# Allegro board WCS038B(3.5 - 1).brd
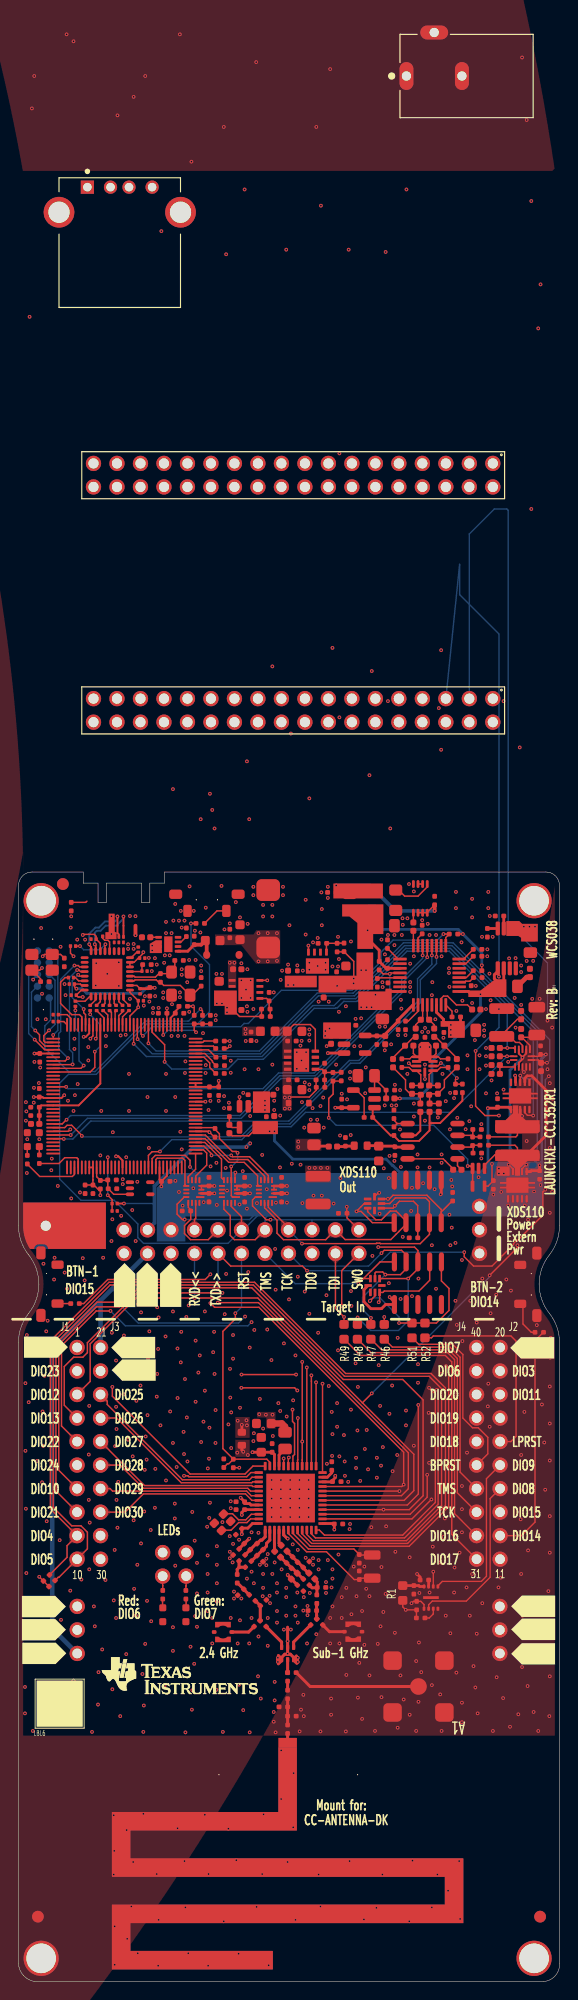
[diagram p0: board, top side]
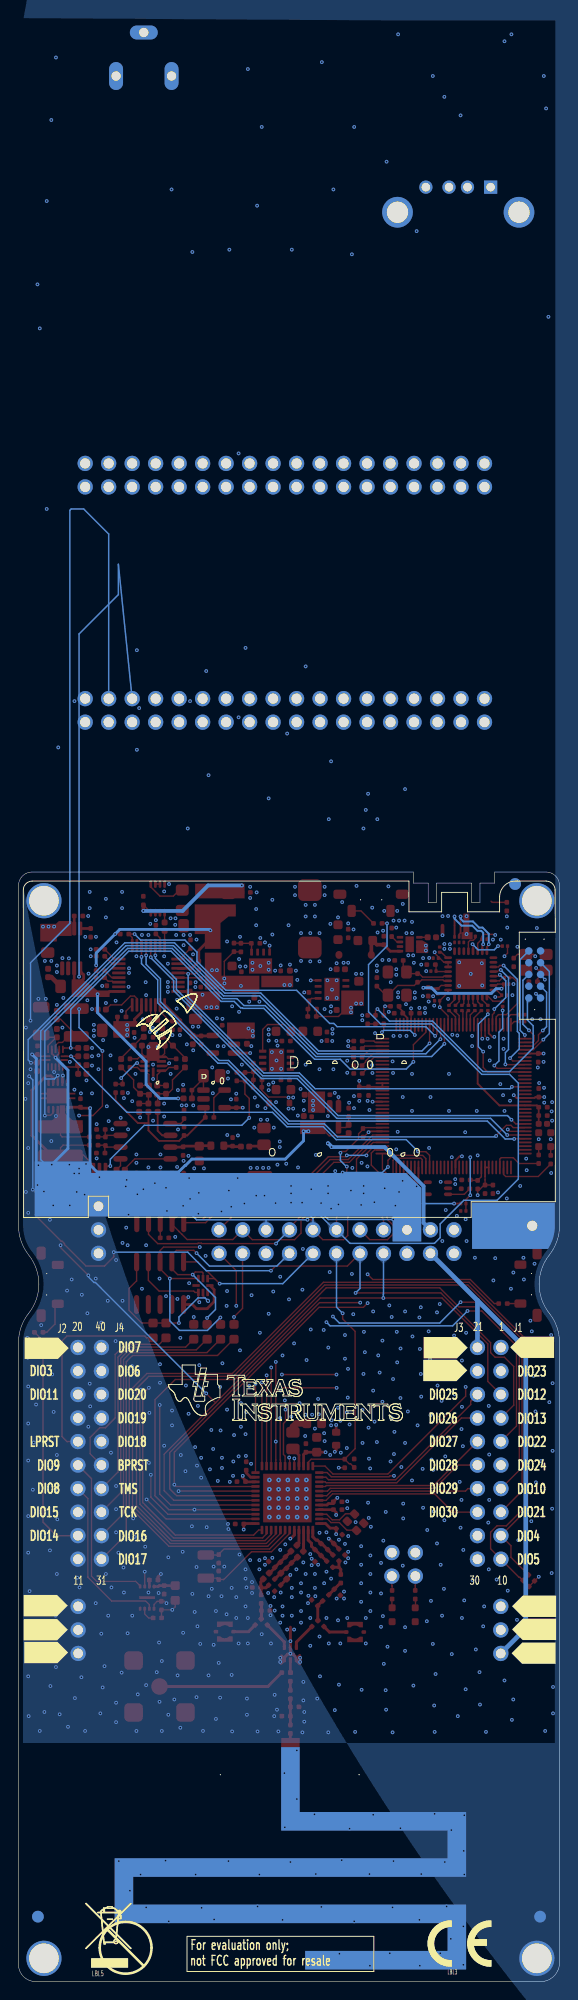
[diagram p1: board, bottom side, seen from below]

Outline 58.5 x 119.8 mm; copper layers: TOP, L2, L3, BOTTOM. Coordinates in mm from the lower left corner of the outline.
Outline path: 0,118.34 0,81.6 arc(0.28,79.93) 1.1,78.45 arc(1.92,76.97) 2.2,75.3 arc(1.92,73.63) 1.1,72.15 arc(0.28,70.67) 0,69 0,1.95 arc(0.51,0.67) 1.72,0 56.8,0 arc(58.05,0.63) 58.5,1.95 58.5,69 arc(58.22,70.67) 57.4,72.15 arc(56.58,73.63) 56.3,75.3 arc(56.58,76.97) 57.4,78.45 arc(58.22,79.93) 58.5,81.6 58.5,118.34 arc(58.07,119.37) 57.04,119.8 15.8,119.8 15.8,118.6 14.2,118.6 14.2,116.5 13.3,116.5 13.3,118.6 9.5,118.6 9.5,116.5 8.6,116.5 8.6,118.6 7,118.6 7,119.8 1.46,119.8 arc(0.43,119.37) 0,118.34

## Design rules (mm)
constraint set DEFAULT: min track width 0.15
net group RF: nets N2078767
nets with their own width: min track width 0.15; nets GND VDDR VDDS WMCU_VDD

## Placement (name value [footprint] x y rotation side)
A1  868MHz/2440MHz  [ANTENNA_DN024N]  29.1 25.8 180 top
C1  12pF  [CAPC1005X60B2N]  2.39 107.96 0 top
C2  10nF  [CAPC1005X60B2N]  15.45 86.4 0 top
C3  10nF  [CAPC1005X60B2N]  2.3 100.2 270 top
C4  10nF  [CAPC1005X60B2N]  2.25 95.5 90 top
C6  100nF  [CAPC0603X35B2N]  12.95 105.9 0 top
C7  10nF  [CAPC1005X60B2N]  7.2 86 270 top
C8  0.1uF  [CAPC1005X60B2N]  9.65 86.55 0 top
C9  12pF  [CAPC1005X60B2N]  4.95 110.5 270 top
C11  12pF  [CAPC1005X60B2N]  23.86 46.7 225 top
C12  1.1pF  [CAPC1005X60B2N]  24.5 46.06 225 top
C13  1pF  [CAPC1005X60B2N]  24.36 42.36 225 top
C14  1pF  [CAPC1005X60B2N]  26.15 40.55 45 top
C15  12pF  [CAPC1005X60B2N]  26.12 38.98 315 top
C21  1.1pF  [CAPC1005X60B2N]  25.78 45.99 315 top
C24  12pF  [CAPC1005X60B2N]  26.13 38.98 225 top
C30  0.1uF  [CAPC1005X60B2N]  42.75 42.75 270 top
C31  1.2pF  [CAPC1005X60B2N]  29.64 45.84 225 top
C32  100pF  [CAPC1005X60B2N]  30.15 42.8 315 top
C33  3pF  [CAPC1005X60B2N]  30.8 43.45 315 top
C34  2.7pF  [CAPC1005X60B2N]  32.3 42.55 0 top
C35  3.6pF  [CAPC1005X60B2N]  31.31 40.05 0 top
C36  100pF  [CAPC1005X60B2N]  32.25 39.15 225 top
C37  100pF  [CAPC1005X60B2N]  32.9 38.5 135 top
C38  0.1uF  [CAPC1005X60B2N]  20.65 96.6 270 top
C39  0.1uF  [CAPC1005X60B2N]  16.05 104.55 180 top
C40  1uF  [CAPC1005X60B2N]  21.65 96.6 270 top
C41  3pF  [CAPC1005X60B2N]  31.45 45.35 225 top
C42  1uF  [CAPC1005X60B2N]  8.05 86 270 top
C43  0.1uF  [CAPC1005X60B2N]  2.25 94.4 180 top
C44  1uF  [CAPC1005X60B2N]  2.25 93.5 180 top
C45  2.2uF  [CAPC1005X60A2N]  2.25 92.6 180 top
C46  0.1uF  [CAPC1005X60B2N]  16.95 104.55 0 top
C47  15pF  [CAPC1005X60B2N]  26.3 104.2 0 top
C48  2.2uF  [CAPC1005X60A2N]  23.2 109.3 0 top
C49  2.2uF  [CAPC1005X60A2N]  23.2 104.9 0 top
C50  10nF  [CAPC1005X60B2N]  9.7 85.6 0 top
C70  0.1uF  [CAPC1005X60B2N]  20.6 85.1 270 top
C71  0.1uF  [CAPC1005X60B2N]  20.6 85.9 90 top
C72  0.1uF  [CAPC1005X60B2N]  28.45 85.1 270 top
C73  0.1uF  [CAPC1005X60B2N]  28.45 85.9 90 top
C74  0.1uF  [CAPC1005X60B2N]  24.45 85.1 270 top
C75  0.1uF  [CAPC1005X60B2N]  24.45 85.9 90 top
C78  100nF  [CAPC0603X35B2N]  13.1 110.5 0 top
C79  100nF  [CAPC0603X35B2N]  6.25 106.5 180 top
C80  100nF  [CAPC0603X35B2N]  8.4 112.55 180 top
C81  12pF  [CAPC1005X60B2N]  36.85 43.4 90 top
C83  100nF  [CAPC0603X35B2N]  6.05 107.7 180 top
C84  100nF  [CAPC0603X35B2N]  13.15 107.2 270 top
C85  4.7uF  [CAPC1005X60B2N]  14.2 106.4 90 top
C86  4.7uF  [CAPC1005X60B2N]  14.35 109.8 180 top
C87  100nF  [CAPC0603X35B2N]  13.35 109.1 0 top
C88  12pF  [CAPC1005X60B2N]  19.75 108.4 270 top
C89  12pF  [CAPC1005X60B2N]  16.9 110.25 0 top
C91  12pF  [CAPC1005X60B2N]  36.85 46.1 270 top
C108  33nF  [CAPC1005X60A2N]  14.25 112.75 180 top
C109  10nF  [CAPC1005X60B2N]  19 111.95 90 top
C110  0.1uF  [CAPC1005X60B2N]  22.85 112.7 90 top
C111  3.3uF  [CAPC1608X90A2N]  23.95 114.1 270 top
C112  220uF  [CAPMP7343X200N]  27 111.65 90 top
C113  22uF  [CAPC1608X100A2N]  21.7 106.4 90 top
C114  0.1uF  [CAPC1005X60B2N]  56.35 87.55 270 top
C115  0.1uF  [CAPC1005X60B2N]  34.35 117.6 180 top
C116  0.1uF  [CAPC1005X60B2N]  39.9 109.4 90 top
C117  10uF  [CAPC2012X150A2N]  38.85 114 0 top
C118  0.1uF  [CAPC1005X60B2N]  45 116.25 90 top
C119  0.1uF  [CAPC1005X60B2N]  46 103.4 270 top
C120  0.1uF  [CAPC1005X60B2N]  39.95 106.9 90 top
C121  10uF  [CAPC2012X150A2N]  39.35 105.73 270 top
C122  10uF  [CAPC2012X150A2N]  47.65 102.7 0 top
C123  270pF  [CAPC1005X60B2N]  41.45 98.7 90 top
C124  0.1uF  [CAPC1005X60B2N]  50.05 92 180 top
C125  0.1uF  [CAPC1005X60B2N]  40.7 89.2 90 top
C126  0.1uF  [CAPC1005X60B2N]  43.95 101.95 270 top
C127  0.1uF  [CAPC1005X60B2N]  48.95 106.6 90 top
C128  1uF  [CAPC1005X60B2N]  41.05 103.7 270 top
C129  470pF  [CAPC1005X60A2N]  43.5 95.75 0 top
C130  1nF  [CAPC1005X60A2N]  43.5 96.75 0 top
C131  22nF  [CAPC1005X60A2N]  43.5 103.85 0 top
C132  0.1uF  [CAPC1005X60B2N]  49.1 91.19 270 top
C133  1uF  [CAPC1005X60B2N]  47.25 96.9 270 top
C134  0.1uF  [CAPC1005X60B2N]  49.15 89.45 0 top
C135  270pF  [CAPC1005X60B2N]  46.45 98.7 90 top
C136  1uF  [CAPC1005X60B2N]  41.85 103.7 270 top
C137  1uF  [CAPC1005X60B2N]  49.2 108.4 0 top
C138  1uF  [CAPC1005X60B2N]  39.9 111.55 90 top
C139  0.1uF  [CAPC1005X60B2N]  51.8 94.4 90 top
C140  0.1uF  [CAPC1005X60B2N]  56.45 100.1 90 top
C141  0.1uF  [CAPC1005X60B2N]  34.95 94.35 90 top
C142  10uF  [CAPC2012X150A2N]  55.35 112.9 270 top
C143  2.2uF  [CAPC1005X60A2N]  54.35 101.95 90 top
C144  2.2uF  [CAPC1005X60A2N]  54.35 103.9 90 top
C145  1uF  [CAPC1005X60B2N]  50.7 113.7 270 top
C146  47uF  [CAPC2012X150A2N]  52.15 107.45 0 top
C147  10uF  [CAPC2012X150A2N]  38.5 97.8 180 top
C149  2.2uF  [CAPC1005X60A2N]  52.05 98.95 180 top
C151  2.2uF  [CAPC1005X60A2N]  29.15 108.25 90 top
C152  0.1uF  [CAPC1005X60B2N]  30.15 108.2 90 top
C153  15pF  [CAPC1005X60B2N]  35.2 111.2 90 top
C154  0.1uF  [CAPC1005X60B2N]  34.4 108.1 90 top
C155  2.2uF  [CAPC1005X60A2N]  33 107.15 270 top
C156  22uF  [CAPC1608X100A2N]  35.4 108.05 90 top
C157  2.2uF  [CAPC1005X60A2N]  33.8 102.15 270 top
C158  0.1uF  [CAPC1005X60B2N]  38.75 102.1 270 top
C159  2.2uF  [CAPC1005X60A2N]  39.65 102.1 270 top
C160  2.2uF  [CAPC1005X60A2N]  26.65 95.75 0 top
C161  0.1uF  [CAPC1005X60B2N]  25.75 95.75 180 top
C162  0.1uF  [CAPC1005X60B2N]  26.8 92.45 90 top
C163  2.2uF  [CAPC1005X60A2N]  27.65 92.55 90 top
C164  0.1uF  [CAPC1005X60B2N]  35.55 103.25 0 top
C165  22uF  [CAPC1608X100A2N]  38.95 90.2 270 top
C166  10nF  [CAPC1005X60B2N]  35.35 90.2 90 top
C168  10uF  [CAPC2012X150A2N]  31.95 90.35 90 top
C169  15pF  [CAPC1005X60B2N]  34 98.15 270 top
C170  0.1uF  [CAPC1005X60B2N]  51.35 85.55 90 top
C171  22uF  [CAPC1608X100A2N]  29.05 102.6 0 top
C172  15pF  [CAPC1005X60B2N]  32.2 96.55 0 top
C174  22uF  [CAPC1608X100A2N]  29.05 96.3 0 top
C175  0.1uF  [CAPC1005X60B2N]  29.1 101.55 0 top
C220  0.1uF  [CAPC1005X60B2N]  34.14 49.4 0 top
C221  0.1uF  [CAPC1005X60B2N]  33.95 53.97 0 top
C231  1uF  [CAPC1005X60B2N]  33.88 55.2 90 top
C331  22uF  [CAPC1608X100A2N]  27.32 60.25 180 top
C341  22uF  [CAPC1608X100A2N]  26.25 57.15 90 top
C342  0.1uF  [CAPC1005X60B2N]  27.42 57.15 90 top
C351  0.1uF  [CAPC1005X60B2N]  22.2 55.5 90 top
C441  0.1uF  [CAPC1005X60B2N]  24.45 51.8 180 top
C451  0.1uF  [CAPC1005X60B2N]  24.45 50.95 180 top
C481  0.1uF  [CAPC1005X60B2N]  24.15 48.9 225 top
C482  100pF  [CAPC1005X60B2N]  29.1 33.35 270 top
C483  100pF  [CAPC1005X60B2N]  29.1 33.35 0 top
C484  10nF  [CAPC1005X60B2N]  25.15 102.52 270 top
C485  0.1uF  [CAPC1005X60B2N]  29.2 97.35 0 top
C486  220uF  [CAPC3225X280A2N]  32.4 86.95 270 top
CR1  LPL296-J2L2-25  [LEDC1707X65L]  18.1 38.85 90 top
CR2  LS L296-P2Q2-1  [LEDC1708X67L]  15.6 38.85 90 top
CR4  LS L296-P2Q2-1  [LEDC1708X67N]  0.95 91.65 270 top
CR5  LPL296-J2L2-25  [LEDC1707X65N]  2.25 91.65 270 top
CR6  TPD4E004DRY  [SON50P100X145X60-6N]  10.35 112.2 0 top
CR7  TPD6E004RSER  [QFN50P150X150X60-8N]  37.75 84.5 270 top
CR8  TPD6E004RSER  [QFN50P150X150X60-8N]  38.05 74.4 0 top
CR14  3.9V  [DIO_BZX84JN]  29.2 94.85 0 top
CR15  MBR130T1  [SOD3716X135N]  20.35 110.85 0 top
FIDU1  FIDU_1.27mm  [FID127X142]  4.8 118.5 0 top
FIDU2  FIDU_1.27mm  [FID127X142]  2.1 7 0 top
FIDU3  FIDU_1.27mm  [FID127X142]  56.4 7 0 top
FIDU4  FIDU_1.27mm  [FID127X142]  4.8 118.5 180 bottom
FIDU5  FIDU_1.27mm  [FID127X142]  2.1 7 180 bottom
FIDU6  FIDU_1.27mm  [FID127X142]  56.4 7 180 bottom
FL1  BLM18HE152SN1  [FIL_BLM18HE152SN1DL]  24.15 57.9 90 top
FL2  BLM18HE152SN1  [FIL_BLM18HE152SN1DN]  21.8 112.4 180 top
FL3  LFD21829MDKED859  [FIL_LFD21829MDKED859_A2N]  28.45 34.75 0 top
FL4  BLM18HE152SN1  [FIL_BLM18HE152SN1DN#2]  37.7 90.25 180 top
FL5  BLM18HE152SN1  [FIL_BLM18HE152SN1DN]  27.75 102.6 180 top
J1  SSQ-110-23-L-D  [SAMTEC_SSQ11023LD_A2B]  6.33 68.46 0 bottom
J2  SSQ-110-23-L-D  [SAMTEC_SSQ11023LD_A2B]  49.53 68.46 0 bottom
J7  SMA-10V21-TGG  [HUSTSAN_SMA10V21TGGAN]  43.25 31.85 0 top
J8  3PIN_POWER_JACK  [CUI_PJ-102A]  48.45 205.75 0 top
J9  1818  [61303621121]  29.7 162.65 180 top
J10  1818  [61303621121]  29.7 137.25 180 top
J11  292303-1  [TE_292303-1]  7.45 193.75 0 top
L11  15nH  [INDC1005X60D2N]  25.79 47.28 315 top
L12  2.4nH  [INDC1005X60D2N]  25.06 46.63 135 top
L13  2nH  [INDC1005X60D2N]  23.65 43.95 270 top
L14  2nH  [INDC1005X60D2N]  24.95 41.75 315 top
L21  2.4nH  [INDC1005X60D2N]  25.17 45.38 225 top
L31  3.9nH  [INDC1005X60C2N]  27.7 46.45 315 top
L32  22nH  [INDC1005X60D2N]  29.52 44.62 45 top
L33  10nH  [INDC1005X60C2N]  29.5 43.45 45 top
L34  9.1nH  [INDC1005X60D2N]  32.26 41.75 270 top
L41  3.9nH  [INDC1005X60C2N]  28.4 47.1 315 top
L42  10nH  [INDC1005X60C2N]  31.4 44.1 315 top
L331  6.8uH  [INDC2012X150A2N]  28.82 57.5 90 top
L332  BLM21PG221SN1  [FILC2012X110A2N]  35.8 115.65 90 top
L333  BLM21PG221SN1  [FILC2012X110A2N]  37.5 110.45 90 top
L334  BLM21PG221SN1  [FILC2012X110A2N]  37.5 106.15 90 top
LBL2  TI_LOGO  [TI_LOGO_1]  10 35.03 0 top
LBL3  CE_label  [CE_MARKING]  11.65 1.6 180 bottom
LBL4  -  [LABEL_FOR_EVALUATION_ONLY]  40.12 1.22 180 bottom
LBL5  TRASH_7mm  [TRASH_7MM]  50.65 1.5 180 bottom
LBL6  ESD_LABEL_5x5mm  [ESD_LABEL_5X5]  1.95 27.5 0 top
M1  SNT-100-BK-G  [SAMTEC_SNT100BKG]  16.88 42.5 90 top
M2  SNT-100-BK-G  [SAMTEC_SNT100BKG]  19.38 42.5 90 top
M3  SNT-100-BK-G  [SAMTEC_SNT100BKG]  12.65 77.3 90 top
M4  SNT-100-BK-G  [SAMTEC_SNT100BKG]  15.25 77.3 90 top
M5  SNT-100-BK-G  [SAMTEC_SNT100BKG]  17.75 77.3 90 top
M6  SNT-100-BK-G  [SAMTEC_SNT100BKG]  20.25 77.3 90 top
M7  SNT-100-BK-G  [SAMTEC_SNT100BKG]  22.85 77.3 90 top
M8  SNT-100-BK-G  [SAMTEC_SNT100BKG]  25.35 77.3 90 top
M9  SNT-100-BK-G  [SAMTEC_SNT100BKG]  27.95 77.3 90 top
M10  SNT-100-BK-G  [SAMTEC_SNT100BKG]  30.45 77.3 90 top
M11  SNT-100-BK-G  [SAMTEC_SNT100BKG]  33.05 77.3 90 top
M12  SNT-100-BK-G  [SAMTEC_SNT100BKG]  35.55 77.3 90 top
M13  SNT-100-BK-G  [SAMTEC_SNT100BKG]  38.15 77.3 90 top
M14  SNT-100-BK-G  [SAMTEC_SNT100BKG]  51.15 79.9 90 top
M15  DCB-10  [MECH_DCB10_A2B]  2.45 116.7 180 bottom
M16  DCB-10  [MECH_DCB10_A2B]  55.75 116.7 180 bottom
M17  DCB-10  [MECH_DCB10_A2B]  2.45 2.5 180 bottom
M18  DCB-10  [MECH_DCB10_A2B]  55.75 2.5 180 bottom
MH1  HOLE_3.2mm_PTH  [MTG320_380]  2.45 2.5 0 top
MH2  HOLE_3.2mm_PTH  [MTG320_380]  55.75 2.5 0 top
MH3  HOLE_3.2mm_PTH  [MTG320_380]  2.45 116.7 0 top
MH4  HOLE_3.2mm_PTH  [MTG320_380]  55.75 116.7 0 top
MH5  HOLE_1.1mm_PTH  [MTG110_170]  2.95 81.6 0 top
NOREF  -  []  -1.96 118.01 0 top
NOREF#2  -  []  16.45 70.4 90 top
NOREF#3  -  []  -1.95 35.6 0 top
NOREF#4  -  []  8.35 65.9 0 top
NOREF#5  -  []  33.55 35.5 0 top
NOREF#6  -  []  51.45 66 0 top
NOREF#7  -  []  -2.05 32.9 0 top
NOREF#8  -  []  17.65 67.9 90 top
NOREF#9  -  []  53.05 34 0 top
NOREF#10  -  []  51.55 35.6 0 top
NOREF#11  -  []  8.35 63.6 0 top
NOREF#12  -  []  -45.65 -52.85 0 top
NOREF#13  -  []  51.55 38.1 0 top
NOREF#14  #VALUE  [unnamed#2]  21.67 22.32 0 top
NOREF#15  -  []  0.23 75.46 0 top
NOREF#16  -  []  -1.95 38.1 0 top
NOREF#17  -  []  13.85 70.5 90 top
NOREF#18  -  []  0.85 -28.78 0 top
NOREF#19  -  []  -4.35 67.3 0 top
NOREF#20  -  []  57.95 34.3 180 bottom
NOREF#21  -  []  17.05 63.6 180 bottom
NOREF#22  -  []  5.55 67.1 180 bottom
NOREF#23  -  []  51.48 89.52 180 bottom
NOREF#24  -  []  60.25 35.6 180 bottom
NOREF#25  -  []  60.15 66 180 bottom
NOREF#26  -  []  6.85 32.9 180 bottom
NOREF#27  -  []  6.85 35.6 180 bottom
NOREF#28  -  []  17.15 65.9 180 bottom
NOREF#29  -  []  6.85 38.1 180 bottom
NOREF#30  -  []  60.25 38.2 180 bottom
P1  BB02-HC031-KB1-603000  [GRADCONN_BB02HC031KB1603000_A2B]  52.05 35.42 90 top
P2  BB02-HC031-KB1-603000  [GRADCONN_BB02HC031KB1603000_A2B]  6.35 35.42 90 top
P4  BB02-HJ221-KB1-603000  [GRADCONN_BB02HJ221KB160300_A2B]  36.81 81.16 180 top
P5  FTSH-105-01-F-DV-K  [SAMTEC_FTSH-105-01-F-DV-K-10L]  40.65 73.1 0 top
P6  BB02-HJ041-KB1-603000  [GRADCONN_BB02HJ041KB1603000_A2B]  15.59 43.77 0 top
P7  FTSH-105-01-F-DV-K  [SAMTEC_FTSH-105-01-F-DV-K-10L]  45.71 86.53 180 top
P8  TC2050-IDC-NL  [TAGCONNECT_TC2050IDCNL_A2N]  2.05 106.2 90 bottom
P10  BB02-HC031-KB1-603000  [GRADCONN_BB02HC031KB1603000_A2B]  49.85 83.7 270 top
P11  MM5829-2700  [MURATA_MM58292700RJ4_A2N]  23.06 37.73 180 top
P12  MM5829-2700  [MURATA_MM58292700RJ4_A2N]  35.24 37.77 0 top
PCB1  WCS038  [TI_MCUXX]  57.45 106.9 90 top
R1  0  [RESC1608X55N]  41.55 42.75 270 top
R2  3.3k  [RESC1005X40B2N]  3.35 43.9 225 top
R3  3.3k  [RESC1005X40B2N]  3.95 43.3 225 top
R11  2.2k  [RESC1005X40B2N]  43.05 41.05 270 top
R14  180  [RESC1005X40B2N]  15.6 41.3 90 top
R15  220  [RESC1005X40B2N]  18.1 41.3 90 top
R17  10k  [RESC1005X40B2N]  19 103.4 90 top
R18  4.7k  [RESC1005X40B2N]  8.85 86.5 270 top
R20  100  [RESC1005X40B2N]  19.9 103.4 90 top
R21  10k  [RESC1005X40B2N]  20.75 103.4 90 top
R23  180  [RESC1005X40B2N]  0.95 89.2 270 top
R25  220  [RESC1005X40B2N]  2.25 89.25 270 top
R27  1k  [RESC1005X40B2N]  22.25 100.75 180 top
R28  4.87k  [RESC1005X40B2N]  22.25 98.05 180 top
R29  1k  [RESC1005X40B2N]  21.35 99.8 0 top
R30  1k  [RESC1005X40B2N]  21.35 98.9 0 top
R31  51  [RESC1005X40B2N]  17.35 105.3 0 top
R32  33k  [RESC1005X40B2N]  5.7 115.6 90 top
R33  51k  [RESC1005X40B2N]  27.2 105 180 top
R34  30k  [RESC1005X40B2N]  27.1 106.8 270 top
R39  1k  [RESC1005X40B2N]  22.25 101.55 180 top
R46  0  [RESC1608X55A2N]  39.55 69.35 90 top
R47  0  [RESC1608X55A2N]  38.1 69.35 90 top
R48  0  [RESC1608X55A2N]  36.65 69.35 90 top
R49  0  [RESC1608X55A2N]  35.2 69.35 90 top
R51  0  [RESC1608X55N]  43.95 69.5 90 top
R52  0  [RESC1608X55N]  42.55 69.5 90 top
R55  100  [RESC1005X40B2N]  55.85 70.1 0 top
R56  100  [RESC1005X40B2N]  5.65 73.2 0 top
R57  100  [RESC1005X40B2N]  20.11 114.25 180 top
R58  3.3k  [RESC1005X40B2N]  21.25 92.1 270 top
R59  3.3k  [RESC1005X40B2N]  43.95 39.25 180 top
R60  3.3k  [RESC1005X40B2N]  44.35 43.35 180 top
R61  100k  [RESC1005X40B2N]  17.7 83.2 0 top
R62  100k  [RESC1005X40B2N]  34.6 82.95 0 top
R63  100k  [RESC1005X40B2N]  42.25 80.3 0 top
R65  100k  [RESC1005X40B2N]  46.95 85.2 270 top
R82  10k  [RESC0603X35B2N]  9.1 112.85 0 top
R83  10k  [RESC0603X35B2N]  5.62 111.8 0 top
R84  12k  [RESC0603X35B2N]  12.95 111.7 270 top
R87  1Meg  [RESC1005X40B2N]  15.35 107.9 90 top
R90  1k  [RESC0603X35B2N]  3.75 104.4 0 top
R91  1k  [RESC0603X35B2N]  3.75 103.65 0 top
R92  10k  [RESC0603X35B2N]  10.12 84 0 top
R93  20k  [RESC0603X35B2N]  10.12 83.2 0 top
R94  22  [RESC1005X40A2N]  42.7 113.45 90 top
R95  1.2k  [RESC1005X40A2N]  40.5 99.6 270 top
R96  100k  [RESC1005X40B2N]  47.5 113.1 180 top
R97  100k  [RESC1005X40B2N]  38.8 108.3 270 top
R98  100k  [RESC1005X40B2N]  47.8 104.15 180 top
R99  0  [RESC1005X40B2N]  49.9 91.2 0 top
R100  0  [RESC1005X40B2N]  40.6 91.35 90 top
R101  1.2k  [RESC1005X40A2N]  43.45 94.8 270 top
R102  330  [RESC1005X40A2N]  42.55 96.75 270 top
R103  4.99  [RESC1005X40A2N]  41.8 101.05 0 top
R104  10  [RESC1005X40A2N]  42.95 102.9 270 top
R105  100k  [RESC1005X40B2N]  43.65 114.05 270 top
R106  0  [RESC1005X40B2N]  40.6 94.1 270 top
R107  1  [RESC3246X70A2N]  53.95 89.25 90 top
R108  0  [RESC1005X40B2N]  49.9 90.3 0 top
R109  1.2k  [RESC1005X40A2N]  44.45 94.8 270 top
R110  330  [RESC1005X40A2N]  45.35 96.75 270 top
R111  0  [RESC1005X40B2N]  48 96.9 270 top
R112  4.99  [RESC1005X40A2N]  46.05 101.05 180 top
R113  10  [RESC1005X40A2N]  44.95 102.9 270 top
R114  100k  [RESC1005X40B2N]  39 110.15 270 top
R115  1.2k  [RESC1005X40A2N]  45.45 94.8 270 top
R116  60.4k  [RESC1005X40A2N]  49.95 104.95 180 top
R117  100k  [RESC1005X40B2N]  50.1 111.45 180 top
R118  100k  [RESC1005X40B2N]  50.1 110.7 180 top
R119  100k  [RESC1005X40B2N]  50.1 109.15 180 top
R120  1.2k  [RESC1005X40A2N]  47.4 99.6 270 top
R121  22k  [RESC1005X40A2N]  40.65 95.35 180 top
R122  0.22  [RESC1005X50A2N]  55.3 109.35 270 top
R123  82  [RESC3216X75A2N]  56.05 105.2 270 top
R125  36.5  [RESC3225X75A2N]  52.25 105.05 270 top
R126  4.7k  [RESC1005X40B2N]  39.75 96.25 0 top
R127  47k  [RESC1005X40A2N]  52.05 99.9 180 top
R128  47k  [RESC1005X40A2N]  52.05 100.8 180 top
R129  47k  [RESC1005X40A2N]  56.5 99.2 270 top
R130  2.2k  [RESC1005X40A2N]  52.05 98 180 top
R131  0  [RESC1005X40B2N]  38.3 93.3 180 top
R132  51k  [RESC1005X40B2N]  34.45 112.1 270 top
R133  30k  [RESC1005X40B2N]  32.4 112.1 0 top
R134  60.4k  [RESC1005X40A2N]  22.8 92.5 270 top
R135  30k  [RESC1005X40B2N]  22.8 94.3 270 top
R136  100k  [RESC1005X40B2N]  51.55 115.05 0 top
R137  2.61k  [RESC1005X40A2N]  47 87.65 0 top
R138  51k  [RESC1005X40B2N]  34.9 97.25 90 top
R140  51  [RESC0603X35B2N]  11.95 105.4 270 top
R141  51  [RESC0603X35B2N]  11.25 105.4 270 top
R142  51  [RESC0603X35B2N]  10.55 105.4 270 top
R143  51  [RESC0603X35B2N]  9.85 105.4 270 top
R144  51  [RESC0603X35B2N]  9.15 105.4 270 top
R145  51  [RESC0603X35B2N]  8.45 105.4 270 top
R146  51  [RESC0603X35B2N]  7.75 105.4 270 top
R147  51  [RESC0603X35B2N]  6.15 105.85 270 top
R148  51  [RESC0603X35B2N]  5.95 108.4 180 top
R151  51k  [RESC1005X40B2N]  33.1 97.35 180 top
R152  30k  [RESC1005X40B2N]  33.1 99.15 270 top
R351  100k  [RESC1005X40B2N]  23.22 56.4 270 top
R353  4.7k  [RESC1005X40B2N]  18.15 113.75 270 top
R354  10  [RESC1005X40A2N]  34.45 90.15 180 top
SW1  1188E-1K2-V  [SW_1188E1K2V_A2N]  2.42 78.68 270 top
SW2  1188E-1K2-V  [SW_1188E1K2V_A2N]  56.05 71.9 90 top
SW3  1188E-1K2  [SW_1188E1K2V_A2N]  23.75 117.4 180 top
U1  CC1352R1F3RGZ  [QFNFC50P700X700X100-49A2N]  26.67 48.75 0 top
U4  MX25R8035FZUIL0  [SON50P300X200X60-9B2L]  43.85 40.25 0 top
U5  TM4C1294NCPDTT3R  [QFP40P1600X1600X120-128N]  5.25 87.9 0 top
U6  LM4040B25IDCK  [SOT65P210X110-5N]  12.05 86.3 270 top
U7  TPS79601DR  [SON65P300X300X100-9AN]  23.1 108.1 270 top
U8  SN74AVC4T245RSV  [QFNFC40P180X260X55-16A2N]  19.65 84.7 90 top
U9  SN74AVC4T245RSV  [QFNFC40P180X260X55-16A2N]  27.5 84.7 90 top
U10  SN74AVC4T245RSV  [QFNFC40P180X260X55-16A2N]  23.5 84.7 90 top
U15  USB3300-EZK  [QFNWB50P500X500X100-33N]  11.35 111.25 180 top
U33  TS3A24159DRC  [SON50P300X300X100-11A2N]  53.25 94.15 0 top
U34  SN74LVC2G74DCU  [SOP50P310X90-8N]  44.2 118.5 180 top
U35  ADS127L01IPBS  [QFP50P700X700X120-32A2N]  42.7 105.45 0 top
U36  INA118UB  [SOIC127P600X175-8N]  47.47 88.82 90 top
U37  THS4551IRUN  [QFNFCP50P200X200X80-10A2N]  43.05 99.85 270 top
U38  TS3A24159DRC  [SON50P300X300X100-11A2N]  54.95 87.45 180 top
U39  TS3A4751RUCR  [QFNFC40P200X200X40-14A2N]  55.3 100.65 180 top
U40  REF6025IDGK  [SOP65P490X110-8A2N]  53.77 113.7 180 top
U41  OPA320AIDBV  [SOT95P280X145-5A2N]  38.5 94.35 90 top
U42  TPS79601DR  [SON65P300X300X100-9AN]  31.35 108.15 0 top
U43  LP5907MFX-1.8  [SOT95P280X145-5A2N]  35.2 102.15 270 top
U44  TPS73101DBV  [SOT95P280X145-5A2N]  25.8 94.5 180 top
U45  OPA314AIDCK  [SOT65P210X110-5A2N]  50.4 87.8 180 top
U46  TPS79601DR  [SON65P300X300X100-9AN#2]  29.1 100.45 270 top
U47  TPS259530DSG  [SON50P200X200X80-9A2N]  15.15 112.75 270 top
Y1  32.768kHz  [XTAL_FC-135N]  38.25 43.55 90 top
Y2  48MHz  [OSCCC200X160X45-4A2N]  21.95 48.7 45 top
Y3  16MHz  [OSCCC250X320X100-4BN]  3.65 110.9 180 top
Y4  24MHz  [OSCCC250X320X70-4AN]  16.55 109 270 top
Y5  16.384MHz  [OSCSC254P320X500X130-4A2N]  38.25 115.65 0 top
Z60  3.3nH  [INDC1005X60B2N]  29.1 31.45 270 top
Z61  5.6pF  [CAPC1005X60B2N]  28.18 29.65 0 top
Z62  3.3nH  [INDC1005X60B2N]  29.1 28.65 0 top
Z63  5.6pF  [CAPC1005X60B2N]  29.1 27.7 270 top

## Library data of the parts
A1 = ANTENNA_PCB: User Part Number: #PN
C1-C4 C7-C9 C11-C15 C21 C24 C30-C44 C46 C47 C50 C70-C75 C81 C85 C86 C88 C89 C91 C109 C110 C114-C116 C118-C120 C123-C128 C132-C141 C145 C152-C154 C158 C161 C162 C164 C166 C169 C170 C172 C175 C220 C221 C231 C342 C351 C441 C451 C481-C485 Z61 Z63 = CAPACITOR: User Part Number: #PN
C6 C78-C80 C83 C84 C87 = CAPACITOR: User Part Number: #PN; alternate symbols: (CAPC0603X35B2L,CAPC0603X35B2M)
C45 C48 C49 C108 C129-C131 C143 C144 C149 C151 C155 C157 C159 C160 C163 = CAPACITOR: User Part Number: #PN; alternate symbols: (CAPC1005X60A2L,CAPC1005X60A2M)
C111 = CAPACITOR: User Part Number: #PN; alternate symbols: (CAPC1608X90A2L,CAPC1608X90A2M)
C112 = CAPACITOR_POL: User Part Number: #PN; alternate symbols: (CAPMP7343X200L,CAPMP7343X200M)
C113 C156 C165 C171 C174 C331 C341 = CAPACITOR: User Part Number: #PN; alternate symbols: (CAPC1608X100A2L,CAPC1608X100A2M)
C117 C121 C122 C142 C146 C147 C168 = CAPACITOR: User Part Number: #PN; alternate symbols: (CAPC2012X150A2L,CAPC2012X150A2M)
C486 = CAPACITOR: User Part Number: #PN; alternate symbols: (CAPC3225X280A2L,CAPC3225X280A2M)
CR1 CR5 = LED: alternate symbols: (LEDC1707X65L,LEDC1707X65M)
CR2 CR4 = LED: alternate symbols: (LEDC1708X67L,LEDC1708X67M)
CR6 = DIODE_TPD4E004_SON6: User Part Number: #PN; alternate symbols: (SON50P100X145X65-6L,SON50P100X145X65-6M)
CR7 CR8 = DIODE_TVS_TPD6E004_QFN8_V1: alternate symbols: (QFN50P150X150X60-8L,QFN50P150X150X60-8M)
CR14 = DIODE_ZENER: alternate symbols: (DIO_BZX84JL,DIO_BZX84JM)
CR15 = DIODE_SCHOTTKY: alternate symbols: (SOD3716X135L,SOD3716X135M,SOD3716X135BN)
FIDU1-FIDU6 = FIDMARK
FL1 FL2 FL4 FL5 = FILTER_2PIN: alternate symbols: (FIL_BLM18HE152SN1DL,FIL_BLM18HE152SN1DM)
FL3 = FILTER_LFD21829_0: User Part Number: #PN; alternate symbols: (FIL_LFD21829MDKED859_A2L,FIL_LFD21829MDKED859_A2M)
J1 J2 = CONN_HEADER_2X10_J_S_V1: User Part Number: #PN; alternate symbols: (SAMTEC_SSQ11023LD_A2C,SAMTEC_SSQ11023LD_A2A)
J7 = CONN_COAX_1_4: alternate symbols: (HUSTSAN_SMA10V21TGGL,HUSTSAN_SMA10V21TGGM)
J8 = 3PIN_POWER_JACK
J9 J10 = 1818
J11 = 292303-1
L11-L14 L21 L32 L34 = INDUCTOR_HOR_1_2: User Part Number: #PN
L31 L33 L41 L42 = INDUCTOR_HOR_1_2: User Part Number: #PN; alternate symbols: (INDC1005X60C2L,INDC1005X60C2M)
L331 = INDUCTOR: User Part Number: #PN; alternate symbols: (INDC2012X150A2L,INDC2012X150A2M)
L332-L334 = INDUCTOR: User Part Number: #PN; alternate symbols: (FILC2012X110A2L,FILC2012X110A2M)
LBL2 = TI_LOGO_V1
LBL3 = CE_LABEL_V1
LBL4 = LABEL_FOR_EVALUATOIN_ONLY: User Part Number: #PN
LBL5 = TRASH_V2: User Part Number: #PN
LBL6 = ESD_LABEL: User Part Number: #PN
M1-M14 = MECH_SHUNT_JUMPER_V1: User Part Number: #PN
M15-M18 = MECH_SPACERS_SUPPORT_V1: User Part Number: #PN
MH1-MH5 = HOLE_PTH
NOREF#14 = -: User Part Number: #PN
P1 P2 P10 = CONN_HEADER_3_P_S: User Part Number: #PN; alternate symbols: (GRADCONN_BB02HC031KB1603000_A2C,GRADCONN_BB02HC031KB1603000_A2A)
P4 = CONN_HEADER_2X11_P_S: User Part Number: #PN; alternate symbols: (GRADCONN_BB02HJ221KB160300_A2C,GRADCONN_BB02HJ221KB160300_A2A)
P5 P7 = CONN_HEADER_2X5: alternate symbols: (SAMTEC_FTSH10501FDVK_A2L,SAMTEC_FTSH10501FDVK_A2M)
P6 = CONN_HEADER_2X2_P: User Part Number: #PN; alternate symbols: (GRADCONN_BB02HJ041KB1603000_A2C,GRADCONN_BB02HJ041KB1603000_A2A)
P8 = CONN_IDC_TC2050-IDC-NL: User Part Number: #PN; alternate symbols: (TAGCONNECT_TC2050IDCNL_A2L,TAGCONNECT_TC2050IDCNL_A2M)
P11 P12 = CONN_COAX_1_1_P_2MH_V1: User Part Number: #PN; alternate symbols: (MURATA_MM58292700RJ4_A2L,MURATA_MM58292700RJ4_A2M)
PCB1 = PCB_V2: User Part Number: #PN
R1 R51 R52 = RESISTOR: alternate symbols: (RESC1608X55L,RESC1608X55M)
R2 R3 R11 R14 R15 R17 R18 R20 R21 R23 R25 R27-R34 R39 R55-R63 R65 R87 R96-R100 R105 R106 R108 R111 R114 R117-R119 R126 R131-R133 R135 R136 R138 R151 R152 R351 R353 = RESISTOR: User Part Number: #PN
R46-R49 = RESISTOR: User Part Number: #PN; alternate symbols: (RESC1608X55A2L,RESC1608X55A2M)
R82-R84 R90-R93 R140-R148 = RESISTOR: User Part Number: #PN; alternate symbols: (RESC0603X35B2L,RESC0603X35B2M)
R94 R95 R101-R104 R109 R110 R112 R113 R115 R116 R120 R121 R127-R130 R134 R137 R354 = RESISTOR: User Part Number: #PN; alternate symbols: (RESC1005X40A2L,RESC1005X40A2M)
R107 = RESISTOR: User Part Number: #PN; alternate symbols: (RESC3246X70A2L,RESC3246X70A2M)
R122 = RESISTOR: User Part Number: #PN; alternate symbols: (RESC1005X50A2L,RESC1005X50A2M)
R123 = RESISTOR: User Part Number: #PN; alternate symbols: (RESC3216X75A2L,RESC3216X75A2M)
R125 = RESISTOR: User Part Number: #PN; alternate symbols: (RESC3225X75A2L,RESC3225X75A2M)
SW1-SW3 = SWITCH_TACT_V2: alternate symbols: (SW_1188E1K2V_A2L,SW_1188E1K2V_A2M)
U1 = IC_RF_CC1352_QFN48: User Part Number: #PN; alternate symbols: (QFNFC50P700X700X100-49A2L,QFNFC50P700X700X100-49A2M)
U4 = IC_FLASH_MX25R8035F_USON8: User Part Number: #PN; alternate symbols: (SON50P300X200X60-9B2L,SON50P300X200X60-9B2M)
U5 = IC_PROC_TM4C1294NCPDT_TQFP128: alternate symbols: (QFP40P1600X1600X120-128L,QFP40P1600X1600X120-128M)
U6 = IC_REF_LM4040_SC70-5: alternate symbols: (SOT65P210X110-5L,SOT65P210X110-5M)
U7 U42 U46 = IC_PM_TPS79601_SON8: alternate symbols: (SON65P300X300X100-9AL,SON65P300X300X100-9AM)
U8-U10 = IC_XCVR_SN74AVC4T245_UQFN16_2: User Part Number: #PN; alternate symbols: (QFNFC40P180X260X55-16A2L,QFNFC40P180X260X55-16A2M)
U15 = IC_PROC_USB3300_QFN32: alternate symbols: (QFNWB50P500X500X100-33L,QFNWB50P500X500X100-33M,QFNWB50P500X500X100-33DL,QFNWB50P500X500X100-33DM)
U33 U38 = IC_SWITCH_TS3A24159_SON10: User Part Number: #PN; alternate symbols: (SON50P300X300X100-11A2L,SON50P300X300X100-11A2M)
U34 = IC_LOGIC_SN74LVC2G74_VSSOP8: alternate symbols: (SOP50P310X90-8L,SOP50P310X90-8M)
U35 = IC_ADC_ADS127L01_QFP32_0: User Part Number: #PN; alternate symbols: (QFP50P700X700X120-32A2L,QFP50P700X700X120-32A2M)
U36 = IC_OPAMP_INA118U_SO8: alternate symbols: (SOIC127P600X175-8A2L,SOIC127P600X175-8A2M)
U37 = IC_OPAMP_THS4551_QFN10: User Part Number: #PN; alternate symbols: (QFNFCP50P200X200X80-10A2L,QFNFCP50P200X200X80-10A2M)
U39 = IC_SWITCH_TS3A4751_QFN14: User Part Number: #PN; alternate symbols: (QFNFC40P200X200X40-14A2L,QFNFC40P200X200X40-14A2M)
U40 = IC_REF_REF6025_VSSOP8: User Part Number: #PN; alternate symbols: (SOP65P490X110-8A2L,SOP65P490X110-8A2M)
U41 = IC_OPAMP_OPA320_SOT23-5: User Part Number: #PN; alternate symbols: (SOT95P280X145-5A2L,SOT95P280X145-5A2M)
U43 = IC_PM_LP5907-1_8_SOT23-5: User Part Number: #PN; alternate symbols: (SOT95P280X145-5A2L,SOT95P280X145-5A2M)
U44 = IC_PM_TPS73101_SOT23-5: User Part Number: #PN; alternate symbols: (SOT95P280X145-5A2L,SOT95P280X145-5A2M)
U45 = IC_OPAMP_OPA314_SC70-5: User Part Number: #PN; alternate symbols: (SOT65P210X110-5A2L,SOT65P210X110-5A2M)
U47 = IC_PM_TPS259530_WSON8: alternate symbols: (SON50P200X200X80-9A2L,SON50P200X200X80-9A2M)
Y1 = CRYSTAL: alternate symbols: (XTAL_FC-135L,XTAL_FC-135M)
Y2 = XTAL_4PINS_1_3: User Part Number: #PN; alternate symbols: (OSCCC200X160X45-4A2L,OSCCC200X160X45-4A2M)
Y3 = XTAL_4: alternate symbols: (OSCCC250X320X100-4BL,OSCCC250X320X100-4BM)
Y4 = XTAL_4: alternate symbols: (OSCCC250X320X70-4AL,OSCCC250X320X70-4AM)
Y5 = XTAL_GEN_EN_V1: User Part Number: #PN; alternate symbols: (OSCSC254P320X500X130-4A2L,OSCSC254P320X500X130-4A2M)
Z60 Z62 = INDUCTOR: User Part Number: #PN
